# Allegro board 1155000-zp-dic_pda_8ch_board_v002.brd (continued)
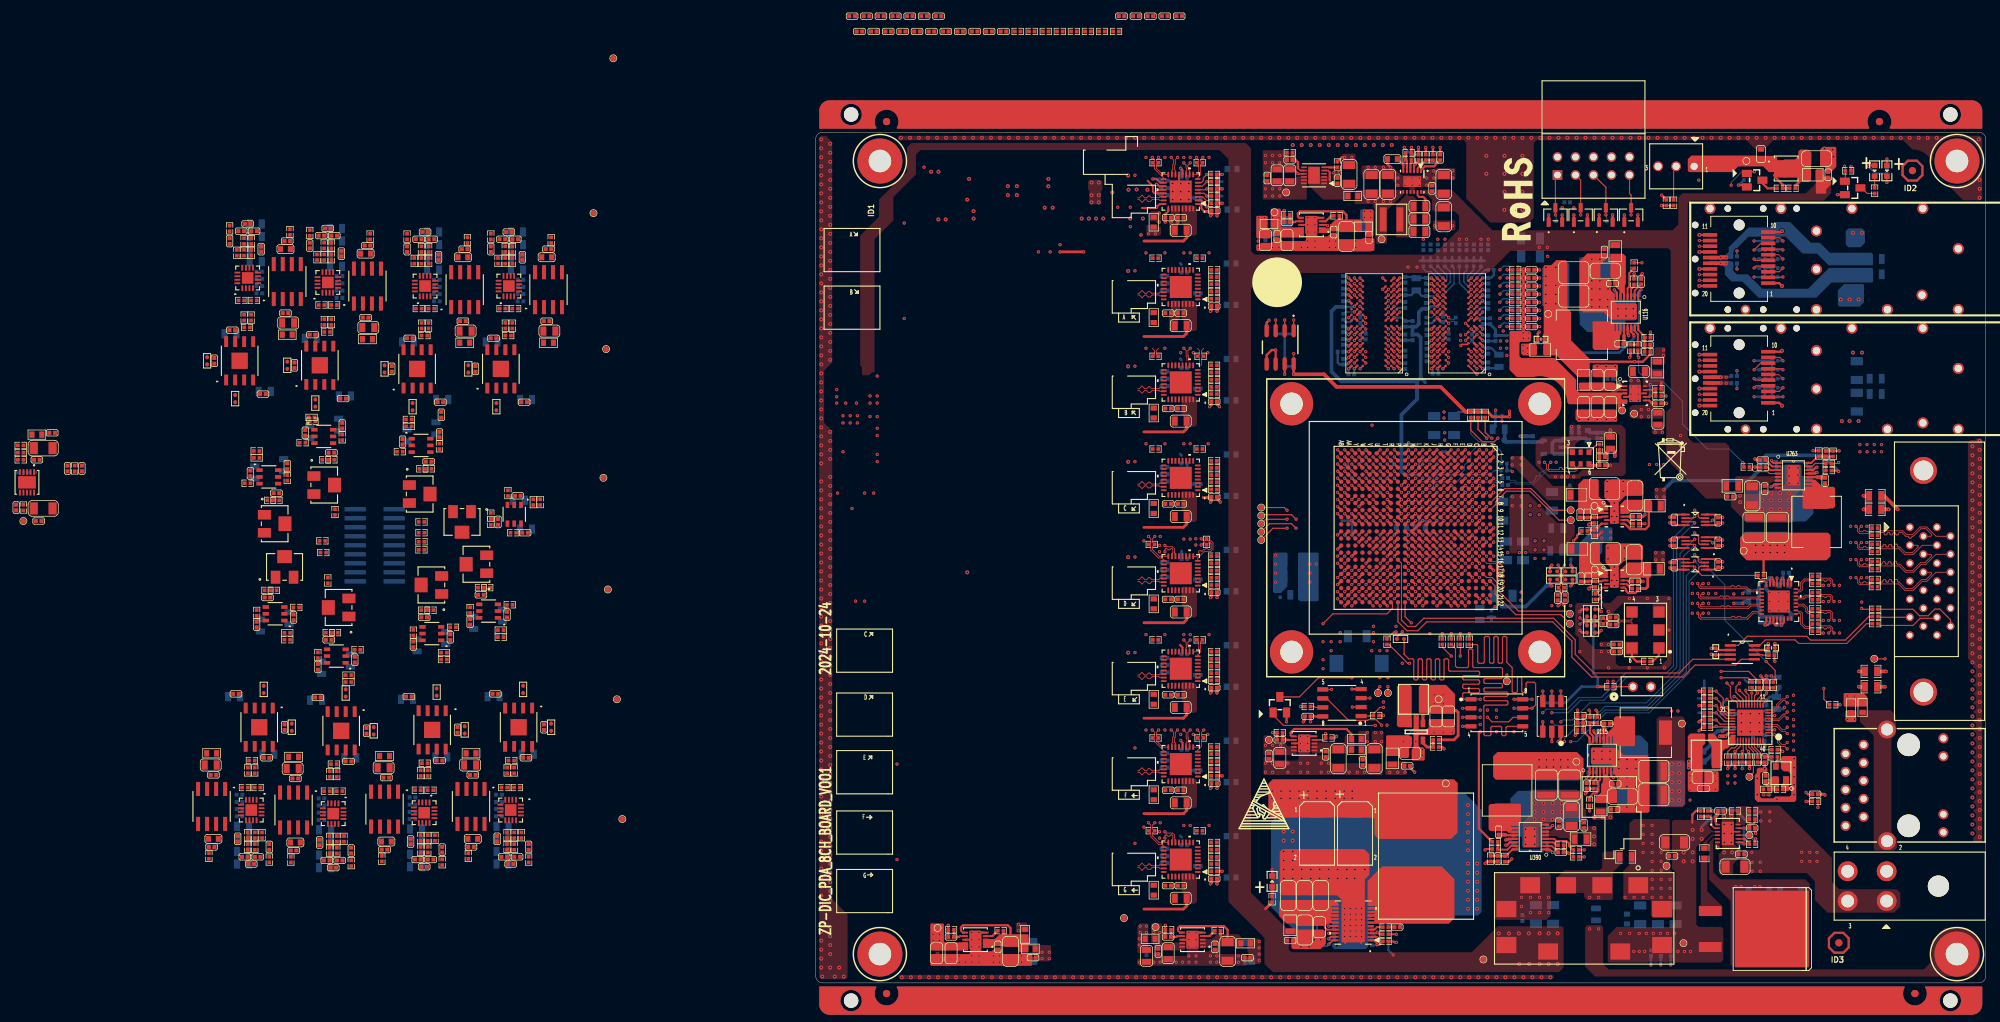
[diagram p0: board, top side]
## Placement (name value [footprint] x y rotation side) (continued)
C3114  470PF_DNP  [C0402]  -68.79 106.43 0 top
C3115  470PF  [C0402]  -67.88 105.41 0 top
C3116  1.3PF  [C0402]  -68.28 74.8 180 top
C3117  0.1UF  [C0402]  -66.88 102.87 90 top
C3118  10UF  [C0805]  -71.33 77.72 90 bottom
C3119  0.1UF  [C0402]  -66.63 82.42 0 top
C3120  0.1UF  [C0402]  -70.95 91.44 180 top
C3121  10UF  [C0805]  -71.2 90.93 180 bottom
C3124  0.1UF  [C0402]  -66.76 78.61 90 top
C3125  10UF  [C0805]  -67.26 78.74 90 bottom
C3126  10UF  [C0805]  -67.64 101.09 180 bottom
C3127  0.1UF  [C0402]  -67.14 98.68 180 bottom
C3128  10UF  [C0805]  -67.64 102.87 180 bottom
C3129  0.1UF  [C0402]  -67.14 99.7 180 bottom
C3130  10UF  [C0805]  -67.64 106.43 180 bottom
C3131  0.1UF  [C0402]  -67.14 97.66 180 bottom
C3132  10UF  [C0805]  -67.64 104.65 180 bottom
C3133  0.1UF  [C0402]  -67.14 96.65 180 bottom
C3134  2.7PF  [C0402]  -47.96 86.61 90 top
C3135  470PF  [C0402]  -44.17 104.9 0 top
C3137  470PF_DNP  [C0402]  -43.26 105.92 0 top
C3138  470PF  [C0402]  -42.35 104.9 0 top
C3139  1.3PF  [C0402]  -44.78 65.02 90 top
C3140  0.1UF  [C0402]  -41.36 102.36 90 top
C3141  10UF  [C0805]  -41.86 68.07 0 bottom
C3142  0.1UF  [C0402]  -41.1 81.92 0 top
C3143  0.1UF  [C0402]  -45.42 90.93 180 top
C3144  10UF  [C0805]  -45.67 90.42 180 bottom
C3147  0.1UF  [C0402]  -40.97 63.5 0 top
C3148  10UF  [C0805]  -40.85 64.01 0 bottom
C3149  10UF  [C0805]  -42.12 102.36 180 bottom
C3150  0.1UF  [C0402]  -41.61 98.17 180 bottom
C3151  10UF  [C0805]  -42.12 100.58 180 bottom
C3152  0.1UF  [C0402]  -41.61 99.19 180 bottom
C3153  10UF  [C0805]  -42.12 105.92 180 bottom
C3154  0.1UF  [C0402]  -41.61 97.16 180 bottom
C3155  10UF  [C0805]  -42.12 104.14 180 bottom
C3156  0.1UF  [C0402]  -41.61 96.14 180 bottom
C3157  2.7PF  [C0402]  -84.79 87.76 90 top
C3158  470PF  [C0402]  -81 106.05 0 top
C3160  470PF_DNP  [C0402]  -80.09 107.06 0 top
C3161  470PF  [C0402]  -79.18 106.05 0 top
C3162  1.3PF  [C0402]  -76.03 69.09 180 top
C3163  0.1UF  [C0402]  -78.19 103.51 90 top
C3164  10UF  [C0805]  -77.68 83.44 0 bottom
C3165  0.1UF  [C0402]  -79.71 71.88 90 top
C3166  0.1UF  [C0402]  -82.25 92.08 180 top
C3167  10UF  [C0805]  -82.5 91.57 180 bottom
C3170  0.1UF  [C0402]  -74.5 72.9 90 top
C3171  10UF  [C0805]  -75.01 73.03 90 bottom
C3172  10UF  [C0805]  -78.95 107.06 180 bottom
C3173  0.1UF  [C0402]  -78.44 99.31 180 bottom
C3174  10UF  [C0805]  -78.95 105.28 180 bottom
C3175  0.1UF  [C0402]  -78.44 100.33 180 bottom
C3176  10UF  [C0805]  -78.95 101.73 180 bottom
C3177  0.1UF  [C0402]  -78.44 98.3 180 bottom
C3178  10UF  [C0805]  -78.95 103.51 180 bottom
C3179  0.1UF  [C0402]  -78.44 97.28 180 bottom
C3180  2.7PF  [C0402]  -59.77 86.61 90 top
C3181  470PF  [C0402]  -55.98 104.9 0 top
C3183  470PF_DNP  [C0402]  -55.07 105.92 0 top
C3184  470PF  [C0402]  -54.16 104.9 0 top
C3185  1.3PF  [C0402]  -54.56 73.53 180 top
C3186  0.1UF  [C0402]  -53.17 102.36 90 top
C3187  10UF  [C0805]  -52.66 82.3 0 bottom
C3188  0.1UF  [C0402]  -58.25 76.33 90 top
C3189  0.1UF  [C0402]  -57.23 90.93 180 top
C3190  10UF  [C0805]  -57.48 90.42 180 bottom
C3193  0.1UF  [C0402]  -53.04 77.34 90 top
C3194  10UF  [C0805]  -53.55 78.23 90 bottom
C3195  10UF  [C0805]  -53.93 102.36 180 bottom
C3196  0.1UF  [C0402]  -53.42 98.17 180 bottom
C3197  10UF  [C0805]  -53.93 104.14 180 bottom
C3198  0.1UF  [C0402]  -53.42 99.19 180 bottom
C3199  10UF  [C0805]  -53.93 100.58 180 bottom
C3200  0.1UF  [C0402]  -53.42 97.16 180 bottom
C3201  10UF  [C0805]  -53.93 105.92 180 bottom
C3202  0.1UF  [C0402]  -53.42 96.14 180 bottom
C3203  2.7PF  [C0402]  -74.88 36.07 270 top
C3204  470PF  [C0402]  -78.67 17.78 180 top
C3206  470PF_DNP  [C0402]  -79.58 16.76 180 top
C3207  470PF  [C0402]  -80.49 17.78 180 top
C3208  1.3PF  [C0402]  -77.3 54.36 0 top
C3209  0.1UF  [C0402]  -81.49 20.32 270 top
C3210  10UF  [C0805]  -82 40.39 180 bottom
C3211  0.1UF  [C0402]  -73.61 51.56 270 top
C3212  0.1UF  [C0402]  -77.42 31.75 0 top
C3213  10UF  [C0805]  -77.17 32.26 0 bottom
C3216  0.1UF  [C0402]  -78.82 50.55 270 top
C3217  10UF  [C0805]  -78.31 50.42 270 bottom
C3218  10UF  [C0805]  -80.73 20.32 0 bottom
C3219  0.1UF  [C0402]  -81.23 24.51 0 bottom
C3220  10UF  [C0805]  -80.73 22.1 0 bottom
C3221  0.1UF  [C0402]  -81.23 23.5 0 bottom
C3222  10UF  [C0805]  -80.73 16.76 0 bottom
C3223  0.1UF  [C0402]  -81.23 25.53 0 bottom
C3224  10UF  [C0805]  -80.73 18.54 0 bottom
C3225  0.1UF  [C0402]  -81.23 26.54 0 bottom
C3226  2.7PF  [C0402]  -50.5 35.69 270 top
C3227  470PF  [C0402]  -54.29 17.4 180 top
C3229  470PF_DNP  [C0402]  -55.2 16.38 180 top
C3230  470PF  [C0402]  -56.11 17.4 180 top
C3231  1.3PF  [C0402]  -55.2 51.56 0 top
C3232  0.1UF  [C0402]  -57.1 19.94 270 top
C3233  10UF  [C0805]  -52.15 48.64 270 bottom
C3234  0.1UF  [C0402]  -57.36 40.39 180 top
C3235  0.1UF  [C0402]  -53.04 31.37 0 top
C3236  10UF  [C0805]  -52.79 31.88 0 bottom
C3239  0.1UF  [C0402]  -56.72 47.75 270 top
C3240  10UF  [C0805]  -56.21 47.63 270 bottom
C3241  10UF  [C0805]  -56.34 18.16 0 bottom
C3242  0.1UF  [C0402]  -56.85 23.11 0 bottom
C3243  10UF  [C0805]  -56.34 19.94 0 bottom
C3244  0.1UF  [C0402]  -56.85 25.15 0 bottom
C3245  10UF  [C0805]  -56.34 21.72 0 bottom
C3246  0.1UF  [C0402]  -56.85 24.13 0 bottom
C3247  10UF  [C0805]  -56.34 16.38 0 bottom
C3248  0.1UF  [C0402]  -56.85 26.16 0 bottom
C3249  2.7PF  [C0402]  -63.33 35.56 270 top
C3250  470PF  [C0402]  -67.12 17.27 180 top
C3252  470PF_DNP  [C0402]  -68.03 16.26 180 top
C3253  470PF  [C0402]  -68.93 17.27 180 top
C3254  1.3PF  [C0402]  -68.66 48.39 0 top
C3255  0.1UF  [C0402]  -69.93 19.81 270 top
C3256  10UF  [C0805]  -70.44 39.88 180 bottom
C3257  0.1UF  [C0402]  -64.98 45.59 270 top
C3258  0.1UF  [C0402]  -65.87 31.24 0 top
C3259  10UF  [C0805]  -65.61 31.75 0 bottom
C3262  0.1UF  [C0402]  -70.18 44.58 270 top
C3263  10UF  [C0805]  -69.68 44.45 270 bottom
C3264  10UF  [C0805]  -69.17 19.81 0 bottom
C3265  0.1UF  [C0402]  -69.68 26.04 0 bottom
C3266  10UF  [C0805]  -69.17 21.59 0 bottom
C3267  0.1UF  [C0402]  -69.68 25.02 0 bottom
C3268  10UF  [C0805]  -69.17 18.03 0 bottom
C3269  0.1UF  [C0402]  -69.68 22.99 0 bottom
C3270  10UF  [C0805]  -69.17 16.26 0 bottom
C3271  0.1UF  [C0402]  -69.68 24 0 bottom
C3272  0.1UF  [C0402]  49.2 71.76 180 bottom
C3273  0.1UF  [C0402]  49.2 70.74 180 bottom
C3274  0.1UF  [C0402]  56.19 68.55 180 top
C3275  0.1UF  [C0402]  53.89 70.36 0 bottom
C3276  0.1UF  [C0402]  49.2 72.77 180 bottom
C3277  0.1UF  [C0402]  49.7 67.56 180 top
C3278  0.1UF  [C0402]  51.99 73.28 180 bottom
C3279  10UF  [C0805]  51.48 65.79 180 top
C3280  0.1UF  [C0402]  51.48 67.56 0 top
C3283  0.1UF  [C0402]  -40.47 19.18 270 top
C3286  0.1UF  [C0402]  56.19 55.09 180 top
C3287  0.1UF  [C0402]  49.2 58.29 180 bottom
C3288  0.1UF  [C0402]  49.2 57.28 180 bottom
C3289  0.1UF  [C0402]  49.7 54.1 180 top
C3290  0.1UF  [C0402]  53.89 56.9 0 bottom
C3291  0.1UF  [C0402]  49.2 59.31 180 bottom
C3292  0.1UF  [C0402]  51.99 59.82 180 bottom
C3293  10UF  [C0805]  51.48 52.32 180 top
C3294  0.1UF  [C0402]  51.48 54.1 0 top
C3297  0.1UF  [C0402]  -71.33 104.01 90 top
C3300  0.1UF  [C0402]  49.2 84.2 180 bottom
C3301  0.1UF  [C0402]  49.2 85.22 180 bottom
C3302  0.1UF  [C0402]  56.19 82.02 180 top
C3303  0.1UF  [C0402]  53.89 83.82 0 bottom
C3304  0.1UF  [C0402]  49.2 86.23 180 bottom
C3305  0.1UF  [C0402]  49.7 81.03 180 top
C3306  0.1UF  [C0402]  51.99 86.74 180 bottom
C3307  10UF  [C0805]  51.48 79.25 180 top
C3308  0.1UF  [C0402]  51.48 81.03 0 top
C3311  0.1UF  [C0402]  -45.8 103.51 90 top
C3314  0.1UF  [C0402]  49.2 44.83 180 bottom
C3315  0.1UF  [C0402]  56.19 41.63 180 top
C3316  0.1UF  [C0402]  49.2 43.82 180 bottom
C3317  0.1UF  [C0402]  49.7 40.64 180 top
C3318  0.1UF  [C0402]  49.2 45.85 180 bottom
C3319  0.1UF  [C0402]  53.89 43.43 0 bottom
C3320  0.1UF  [C0402]  51.99 46.36 180 bottom
C3321  10UF  [C0805]  51.48 38.86 180 top
C3322  0.1UF  [C0402]  51.48 40.64 0 top
C3325  0.1UF  [C0402]  -82.63 104.65 90 top
C3328  0.1UF  [C0402]  49.2 98.68 180 bottom
C3329  0.1UF  [C0402]  56.19 95.48 180 top
C3330  0.1UF  [C0402]  49.2 97.66 180 bottom
C3331  0.1UF  [C0402]  53.89 97.28 0 bottom
C3332  0.1UF  [C0402]  49.7 94.49 180 top
C3333  0.1UF  [C0402]  49.2 99.7 180 bottom
C3334  0.1UF  [C0402]  51.99 100.2 180 bottom
C3335  10UF  [C0805]  51.48 92.71 180 top
C3336  0.1UF  [C0402]  51.48 94.49 0 top
C3339  0.1UF  [C0402]  -57.61 103.51 90 top
C3342  0.1UF  [C0402]  56.19 28.17 180 top
C3343  0.1UF  [C0402]  49.2 31.37 180 bottom
C3344  0.1UF  [C0402]  49.2 30.35 180 bottom
C3345  0.1UF  [C0402]  49.2 32.39 180 bottom
C3346  0.1UF  [C0402]  53.89 29.97 0 bottom
C3347  0.1UF  [C0402]  49.7 27.18 180 top
C3348  0.1UF  [C0402]  51.99 32.89 180 bottom
C3349  10UF  [C0805]  51.48 25.4 180 top
C3350  0.1UF  [C0402]  51.48 27.18 0 top
C3353  0.1UF  [C0402]  -77.04 19.18 270 top
C3356  0.1UF  [C0402]  56.19 108.94 180 top
C3357  0.1UF  [C0402]  49.2 111.13 180 bottom
C3358  0.1UF  [C0402]  49.2 112.14 180 bottom
C3359  0.1UF  [C0402]  49.2 113.16 180 bottom
C3360  0.1UF  [C0402]  49.7 107.95 180 top
C3361  0.1UF  [C0402]  53.89 110.74 0 bottom
C3362  0.1UF  [C0402]  51.99 113.67 180 bottom
C3363  10UF  [C0805]  51.48 106.17 180 top
C3364  0.1UF  [C0402]  51.48 107.95 0 top
C3367  0.1UF  [C0402]  -52.66 18.8 270 top
C3370  0.1UF  [C0402]  49.2 16.89 180 bottom
C3371  0.1UF  [C0402]  49.2 17.91 180 bottom
C3372  0.1UF  [C0402]  56.19 14.71 180 top
C3373  0.1UF  [C0402]  49.7 13.72 180 top
C3374  0.1UF  [C0402]  49.2 18.92 180 bottom
C3375  0.1UF  [C0402]  53.89 16.51 0 bottom
C3376  0.1UF  [C0402]  51.99 19.43 180 bottom
C3377  10UF  [C0805]  51.48 11.94 180 top
C3378  0.1UF  [C0402]  51.48 13.72 0 top
C3381  0.1UF  [C0402]  -65.49 18.67 270 top
C3384  0.1UF  [C0402]  108.35 22.24 270 top
C3385  22UF  [C1206]  106.59 23.46 90 top
C3386  0.1UF  [C0402]  104.81 22.45 270 top
C3387  0.1UF  [C0402]  96.3 21.31 270 top
C3388  47UF  [C1210]  103.03 27.9 270 bottom
C3389  47UF  [C1210]  106.33 27.9 270 top
C3390  47UF  [C1210]  106.33 27.9 270 bottom
C3391  47UF  [C1210]  103.03 27.9 270 top
C3392  4.7PF  [C0402]  96.19 17.53 270 top
C3393  0.01UF  [C0402]  105.08 18.42 0 top
C3394  1UF  [C0603]  98.46 20.29 90 bottom
C3395  10UF  [C0805]  -44.15 51.82 270 bottom
C3396  0.1UF  [C0402]  -43.51 51.94 270 top
C3397  10UF  [C0805]  -66.37 82.8 0 bottom
C3398  0.1UF  [C0402]  -71.96 77.6 90 top
C3399  10UF  [C0805]  -40.85 82.3 0 bottom
C3400  0.1UF  [C0402]  -41.99 68.71 0 top
C3401  10UF  [C0805]  -79.07 72.01 90 bottom
C3402  0.1UF  [C0402]  -77.93 83.06 0 top
C3403  10UF  [C0805]  -57.61 77.22 90 bottom
C3404  0.1UF  [C0402]  -52.91 81.92 0 top
C3405  10UF  [C0805]  -74.25 51.44 270 bottom
C3406  0.1UF  [C0402]  -81.74 40.77 180 top
C3407  10UF  [C0805]  -57.61 40.01 180 bottom
C3408  0.1UF  [C0402]  -51.52 48.77 270 top
C3409  10UF  [C0805]  -65.61 45.47 270 bottom
C3410  0.1UF  [C0402]  -70.18 40.26 180 top
C3411  10UF  [C1206]  30.4 4.45 270 bottom
C3412  0.1UF  [C0402]  30.65 3.56 0 top
C3413  10UF  [C1206]  27.48 4.45 270 top
C3414  0.1UF  [C0402]  25.7 5.08 90 top
C3415  10UF  [C0805]  17.06 4.19 270 top
C3416  10UF  [C0805]  19.1 4.19 270 top
C3417  0.1UF  [C0402]  17.19 4.45 90 bottom
C3418  0.47UF  [C0402]  19.1 6.48 180 top
C3419  10UF  [C1206]  75.23 114.05 90 top
C3420  0.1UF  [C0402]  73.58 113.16 270 top
C3421  10UF  [C0805]  66.85 113.92 90 top
C3422  10UF  [C0805]  65.07 113.92 90 top
C3423  0.1UF  [C0402]  63.67 113.54 270 top
C3424  0.47UF  [C0402]  66.85 116.08 180 top
C3425  10UF  [C0805]  46.66 3.81 270 top
C3426  0.1UF  [C0402]  46.66 4.32 90 bottom
C3427  10UF  [C0805]  63.42 104.78 270 top
C3428  0.1UF  [C0402]  63.42 105.16 90 bottom
C3537  100PF  [C0402]  43.13 136.37 0 top
C3538  100PF  [C0402]  45.17 136.37 0 top
C3539  100PF  [C0402]  47.2 136.37 0 top
C3540  1.8nF  [C0402]  17.33 136.37 0 top
C3541  100PF  [C0402]  49.23 136.37 0 top
C3542  1.8nF  [C0402]  5.14 136.37 0 top
C3543  100PF  [C0402]  51.26 136.37 0 top
C3544  100PF  [C0402]  6.17 134.21 0 top
C3545  1.8nF  [C0402]  9.2 136.37 0 top
C3546  100PF  [C0402]  8.2 134.21 0 top
C3547  100PF  [C0402]  10.23 134.21 0 top
C3548  1.8nF  [C0402]  15.3 136.37 0 top
C3549  100PF  [C0402]  12.27 134.21 0 top
C3550  100PF  [C0402]  14.3 134.21 0 top
C3551  1.8nF  [C0402]  13.27 136.37 0 top
C3552  100PF  [C0402]  16.33 134.21 0 top
C3553  100PF  [C0402]  18.36 134.21 0 top
C3554  1.8nF  [C0402]  11.24 136.37 0 top
C3555  100PF  [C0402]  20.39 134.21 0 top
C3556  100PF  [C0402]  22.42 134.21 0 top
C3557  1.8nF  [C0402]  7.17 136.37 0 top
C3558  100PF  [C0402]  24.45 134.21 0 top
C3559  100PF  [C0402]  26.48 134.21 0 top
CC1  330UF  [C2917X]  76.63 45.09 90 bottom
CC7  330UF  [C2917X]  70.71 21.08 180 top
CC8  330UF  [C2917X]  76.04 21.08 180 top
D2  BAT54SLT1G  [SOT-23]  104.31 108.33 0 top
D3  BAT54SLT1G  [SOT-23]  107.87 108.33 0 top
D4  BAT54SLT1G  [SOT-23]  111.43 108.33 0 top
D5  BAT54SLT1G  [SOT-23]  114.98 108.33 0 top
DS10  SML-LX0603GW-TR  [LED_0603]  149.32 114.55 270 top
DS18  SML-LX0603GW-TR  [LED_0603]  151.05 114.55 270 top
DS24  SML-LX0603GW-TR  [LED_0603]  64.36 14.33 90 top
J1  JTAG  [SBH11-PBPC-D05-ST-BK]  109.68 115.24 0 top
J6  KRJ-320DNL  [KRJ-320DNL_14P]  154.12 27.87 90 top
J18  -  [0039301040]  154.52 13.65 90 top
J60  -  [S8558]  -62.18 61.72 270 bottom
J61  0022112032_DNP  [0022112032]  121.33 115.19 180 top
J75  -  [10226-55G3PC]  157.42 56.66 270 top
J77  -  [CON_2]  116.51 41.78 0 top
J78  -  [THS103J]  103.81 37.59 180 top
L3  BLM18SG121TN1D  [L0603]  82.6 64.26 0 bottom
L5  BLM18SG121TN1D  [L0603]  85.26 64.26 180 bottom
L6  BLM21SN300SN1D  [L0805]  149.47 102.11 180 bottom
L7  BLM21SN300SN1D  [L0805]  149.47 99.95 180 bottom
L34  BLM21SN300SN1D  [L0805]  104.44 60.96 0 bottom
L42  BLM18SG121TN1D  [L0603]  147.62 38.86 270 top
L45  BLM15PD121SN1D  [L0402]  134.03 27.31 180 top
L54  BLM15PD121SN1D  [L0402]  112.95 47.75 180 top
L85  0.44UH  [PA0513_441NLT]  86.07 17.78 270 top
L86  IHLP2525CZER2R2M01  [IHLP_2525CZ_01]  117.06 35.31 0 top
L89  BLM21SN300SN1D  [L0805]  66.9 8.13 90 top
L90  BLM21SN300SN1D  [L0805]  110.71 25.02 90 top
L91  BLM21SN300SN1D  [L0805]  67.78 54.74 0 bottom
L92  BLM21SN300SN1D  [L0805]  102.15 89.28 0 top
L93  BLM21SN300SN1D  [L0805]  112.74 103.23 270 top
L94  IHLP2525CZER2R2M01  [IHLP_2525CZ_01]  108.04 91.41 180 top
L95  BLM21SN300SN1D  [L0805]  108.3 85.06 270 top
L96  BLM21SN300SN1D  [L0805]  118.69 86.79 90 top
L97  IHLP2525CZER4R7M01  [IHLP_2525CZ_01]  141.14 65.02 270 top
L98  BLM21SN300SN1D  [L0805]  129.26 70.11 0 top
L99  BLM21SN300SN1D  [L0805]  118.2 58.42 180 top
L100  BLM21SN300SN1D  [L0805]  107.41 61.21 180 top
L101  BLM21SN300SN1D  [L0805]  118.33 67.31 180 top
L102  BLM21SN300SN1D  [L0805]  107.28 68.83 180 top
L111  BLM21SN300SN1D  [L0805]  81.33 31.67 90 top
L112  -  [NRS4018T2R2MDGJ]  84.29 40.01 0 top
L122  BLM18SG121TN1D  [L0603]  77.26 106.68 180 top
L125  BLM18SG121TN1D  [L0603]  76.25 32.89 180 top
L131  BLM18SG121TN1D  [L0603]  60.63 5.59 180 top
L134  BLM21SN300SN1D_DNP  [L0805]  140.61 114 180 top
L228  -  [XFL4020-472ME]  81.2 107.7 180 top
L233  BLM21SN300SN1D  [L0805]  104.57 64.14 0 bottom
L242  BLM18SG121TN1D  [L0603]  145.97 38.82 270 top
L243  BLM18SG121TN1D  [L0603]  135.73 42.42 270 bottom
L244  BLM18SG121TN1D  [L0603]  124.55 31.24 0 bottom
L245  BLM18SG121TN1D  [L0603]  124.55 32.64 0 bottom
L246  -  [NRS4018T2R2MDGJ]  125.57 32.13 0 top
L265  BLM21SN300SN1D  [L0805]  93.65 52.07 90 bottom
L282  BLM15PD121SN1D  [L0402]  110.92 74.17 0 top
L283  BLM18SG121TN1D  [L0603]  132.25 53.8 0 bottom
L287  BLM21SN300SN1D  [L0805]  96.31 78.11 0 bottom
L288  BLM18SG121TN1D  [L0603]  108.89 77.22 270 bottom
L290  BLM21SN300SN1D  [L0805]  149.47 85.23 180 bottom
L291  BLM21SN300SN1D  [L0805]  149.47 83.07 180 bottom
L299  BLM18SG121TN1D  [L0603]  -48.59 32.39 0 top
L300  BLM18SG121TN1D  [L0603]  -63.2 90.81 180 top
L301  BLM18SG121TN1D  [L0603]  -37.67 90.3 180 top
L302  BLM18SG121TN1D  [L0603]  -74.5 91.44 180 top
L303  BLM18SG121TN1D  [L0603]  -49.48 90.3 180 top
L304  BLM18SG121TN1D  [L0603]  -85.17 32.39 0 top
L305  BLM18SG121TN1D  [L0603]  -60.79 32 0 top
L306  BLM18SG121TN1D  [L0603]  -73.61 31.88 0 top
L309  BLM18SG121TN1D  [L0603]  47.16 6.22 180 top
L356  BLM18SG121TN1D  [L0603]  -109.81 77.34 180 top
L357  MLF1005G2R2JT000  [L0402]  -44.4 49.76 0 top
L358  MLF1005G2R2JT000  [L0402]  -71.07 79.78 180 top
L359  MLF1005G2R2JT000  [L0402]  -39.81 67.82 90 top
L360  MLF1005G2R2JT000  [L0402]  -78.82 74.06 180 top
L361  MLF1005G2R2JT000  [L0402]  -57.36 78.51 180 top
L362  MLF1005G2R2JT000  [L0402]  -74.5 49.38 0 top
L363  MLF1005G2R2JT000  [L0402]  -52.4 46.59 0 top
L364  MLF1005G2R2JT000  [L0402]  -65.87 43.41 0 top
L365  BLM18SG121TN1D  [L0603]  47.67 66.93 90 top
L366  BLM18SG121TN1D  [L0603]  58.59 68.71 180 bottom
L367  BLM18SG121TN1D  [L0603]  58.59 74.55 180 bottom
L368  BLM18SG121TN1D  [L0603]  47.67 53.47 90 top
L369  BLM18SG121TN1D  [L0603]  58.59 55.25 180 bottom
L370  BLM18SG121TN1D  [L0603]  58.59 61.09 180 bottom
L371  BLM18SG121TN1D  [L0603]  47.67 80.39 90 top
L372  BLM18SG121TN1D  [L0603]  58.59 82.17 180 bottom
L373  BLM18SG121TN1D  [L0603]  58.59 88.01 180 bottom
L374  BLM18SG121TN1D  [L0603]  47.67 40.01 90 top
L375  BLM18SG121TN1D  [L0603]  58.59 41.78 180 bottom
L376  BLM18SG121TN1D  [L0603]  58.59 47.63 180 bottom
L377  BLM18SG121TN1D  [L0603]  47.67 93.85 90 top
L378  BLM18SG121TN1D  [L0603]  58.59 95.63 180 bottom
L379  BLM18SG121TN1D  [L0603]  58.59 101.47 180 bottom
L380  BLM18SG121TN1D  [L0603]  47.67 26.54 90 top
L381  BLM18SG121TN1D  [L0603]  58.59 28.32 180 bottom
L382  BLM18SG121TN1D  [L0603]  58.59 34.16 180 bottom
L383  BLM18SG121TN1D  [L0603]  47.67 107.32 90 top
L384  BLM18SG121TN1D  [L0603]  58.72 109.09 180 bottom
L385  BLM18SG121TN1D  [L0603]  58.72 114.81 180 bottom
L386  BLM18SG121TN1D  [L0603]  47.67 13.08 90 top
L387  BLM18SG121TN1D  [L0603]  58.59 14.86 180 bottom
L388  BLM18SG121TN1D  [L0603]  58.59 20.7 180 bottom
L389  BLM21SN300SN1D  [L0805]  107.86 20.29 180 top
L390  IHLP2525CZER2R2M01  [IHLP_2525CZ_01]  97.49 27.15 90 top
L391  BLM18SG121TN1D  [L0603]  30.27 4.83 180 top
L392  BLM18SG121TN1D  [L0603]  75.74 111 180 top
L393  BLM18SG121TN1D  [L0603]  63.93 107.06 180 top
L394  BLM18SG121TN1D_DNP  [L0603]  76.25 34.42 180 top
L395  BLM18SG121TN1D_DNP  [L0603]  29.51 6.86 270 top
MH1  MH_125_250  [MH_250H125]  160.94 4.06 0 top
MH2  MH_125_250  [MH_250H125]  9.06 4.06 0 top
MH3  MH_125_250  [MH_250H125]  9.06 115.94 0 top
MH4  MH_125_250  [MH_250H125]  160.94 115.94 0 top
NOREF  -  []  326.69 223.27 0 top
NOREF#2  -  [unnamed#2]  165 120 0 top
NOREF#3  -  []  278.68 -48.89 0 top
NOREF#4  -  []  163 -5 90 top
NOREF#5  -  []  0 119 0 top
NOREF#6  -  []  -0.08 0 0 top
NOREF#7  -  []  9.06 4.06 0 top
NOREF#8  -  []  164 0 90 top
NOREF#9  -  [unnamed#3]  144.28 5.66 0 top
NOREF#10  -  []  165.95 0 0 top
NOREF#11  -  []  165.95 120 0 top
NOREF#12  -  []  62.53 24.77 0 top
NOREF#13  -  [unnamed#3]  154.66 114.58 0 top
NOREF#14  -  []  65.58 99.06 0 top
NOREF#15  -  [unnamed#4]  0 0 0 top
NOREF#16  -  [unnamed#5]  0 120 0 top
NOREF#17  -  []  277.62 124.21 0 top
NOREF#18  -  []  107.62 115.32 90 top
NOREF#19  -  [unnamed#6]  165 0 0 top
NOREF#20  -  []  -163.4 -217.8 0 top
NOREF#21  -  []  -0.08 0 0 top
NOREF#22  -  []  9.06 4.06 0 top
NOREF#23  -  []  120.57 73.91 0 top
NOREF#24  -  [unnamed#3]  154.66 114.58 180 bottom
NOREF#25  -  [unnamed#3]  144.28 5.66 180 bottom
P3  0744410010_0747370010  [0744410010_0747370010#2]  161.12 103.57 180 top
P4  -  [0744410010_0747370010]  161.12 86.68 180 top
Q1  PSMN1R1-40BS  [PSMN1R1]  133.83 7.6 270 top
Q10  -  [NDS331N]  65.45 39.24 0 top
Q15  -  [NDS331N]  146.22 112.14 270 top
Q20  CSD25402Q3A_DNP  [CSD25402]  136.85 114.88 0 top
Q21  NDS331N_DNP  [NDS331N]  132.4 113.23 270 top
R4  4.7K  [R0402]  97.07 72.26 180 bottom
R8  4.7K  [R0402]  95.22 100.58 0 bottom
R11  4.7K  [R0402]  135.25 99.57 0 bottom
R12  4.7K_DNP  [R0402]  135.25 100.84 0 bottom
R13  4.7K  [R0402]  135.25 102.11 0 bottom
R14  4.7K  [R0402]  133.47 103.38 180 bottom
R41  4.7K  [R0402_BGA]  91.11 69.22 90 bottom
R42  4.7K  [R0402]  97.07 73.28 180 bottom
R87  240  [R0402]  151.05 114.55 90 bottom
R165  100  [R0402_BGA]  88.11 74.19 90 bottom
R219  10K  [R0402]  112.06 86.23 180 bottom
R221  10K  [R0402]  112.44 83.82 90 bottom
R276  1K  [R0402_BGA]  87.1 58.19 90 bottom
R337  1K  [R0402]  92.38 80.14 90 top
R338  1K_DNP  [R0402]  94.41 80.14 90 top
R339  1K_DNP  [R0402]  93.39 80.14 90 top
R340  1K  [R0402]  93.39 80.14 270 bottom
R341  1K  [R0402]  94.41 80.14 270 bottom
R342  1K_DNP  [R0402]  92.38 80.14 270 bottom
R391  4.7K  [R0402]  135.25 104.65 0 bottom
R392  4.7K  [R0402]  135.25 103.38 0 bottom
R395  330  [R0402]  145.59 114.55 180 top
R396  330  [R0402]  149.32 111.76 90 top
R455  10K  [R0402]  111.93 107.44 180 bottom
R456  10K  [R0402]  104.82 107.44 180 bottom
R458  240  [R0402]  74.39 93.98 270 bottom
R460  40.2  [R0402]  90.77 101.47 270 bottom
R461  40.2  [R0402]  88.74 101.47 270 bottom
R462  40.2  [R0402]  91.79 101.47 270 bottom
R463  40.2  [R0402]  98.65 98.3 180 top
R464  40.2  [R0402]  98.65 99.44 180 bottom
R465  40.2  [R0402]  98.65 99.44 180 top
R466  40.2  [R0402]  98.65 100.58 180 bottom
R467  40.2  [R0402]  98.65 100.58 180 top
R468  40.2  [R0402]  85.69 101.47 270 bottom
R469  40.2  [R0402]  92.8 101.47 270 bottom
R470  40.2  [R0402]  98.65 96.01 180 bottom
R471  40.2  [R0402]  87.72 101.47 270 bottom
R472  40.2  [R0402]  89.76 101.47 270 bottom
R473  40.2  [R0402]  93.82 101.47 270 bottom
R474  40.2  [R0402]  86.71 101.47 270 bottom
R475  40.2  [R0402]  98.65 97.16 180 bottom
R476  40.2  [R0402]  98.65 94.87 180 top
R477  40.2  [R0402]  98.65 98.3 180 bottom
R478  40.2  [R0402]  98.65 96.01 180 top
R479  40.2  [R0402]  98.65 97.16 180 top
R480  40.2  [R0402]  98.65 93.73 180 bottom
R481  40.2  [R0402]  98.65 92.58 180 bottom
R482  40.2  [R0402]  98.65 92.58 180 top
R483  40.2  [R0402]  98.65 94.87 180 bottom
R484  40.2  [R0402]  98.65 93.73 180 top
R488  80.6  [R0402]  90.26 93.47 90 bottom
R490  240  [R0402]  86.07 93.47 270 bottom
R496  4.7K  [R0402]  92.38 40.01 180 bottom
R497  4.7K  [R0402]  92.38 37.47 180 bottom
R498  4.7K  [R0402]  99.61 38.74 0 bottom
R499  4.7K  [R0402]  67.4 91.95 90 bottom
R500  4.7K  [R0402]  66.13 91.95 90 bottom
R501  4.7K  [R0402]  64.86 91.95 90 bottom
R502  0  [R0402_BGA]  82.47 48.51 0 top
R503  0  [R0402]  89.63 48.13 270 top
R505  0  [R0402]  88.36 48.13 270 top
R507  0  [R0402]  80.56 48.13 270 top
R509  0  [R0402]  90.9 48.13 270 top
R511  0  [R0402]  92.17 48.13 270 top
R516  4.7K  [R0402]  133.47 102.11 180 bottom
R517  4.7K  [R0402]  133.47 100.84 180 bottom
R834  330  [R0402]  140.93 25.6 0 top
R835  330  [R0402]  143.35 39.24 0 top
R844  0  [R0402]  132.81 31.5 90 top
R845  2.49K  [R0402]  135.22 32.89 0 top
R848  0  [R0402]  135.98 27.31 180 top
R853  0  [R0402]  135.05 42.04 90 top
R854  0  [R0402]  133.06 42.04 90 top
R855  0  [R0402]  132.05 42.04 90 top
R858  0  [R0402]  135.22 31.88 180 top
R984  0_DNP  [R0402]  117.27 45.34 180 top
R1033  10K  [R0402]  132.05 19.56 180 top
R1034  10m  [R1206]  137.46 12.7 180 bottom
R1036  100K  [R0402]  129.63 24.26 180 top
R1037  680K  [R0402]  132.05 24.26 180 top
R1038  1M  [R0402]  130.22 19.3 90 bottom
R1039  1M  [R0402]  132.05 23.11 0 top
R1040  49.9K  [R0402]  124.78 23.88 270 top
R1041  100K  [R0402]  80.36 6.86 180 top
R1042  187K_DNP  [R0402]  71.09 5.33 0 bottom
R1043  100K  [R0402]  73.12 5.72 90 bottom
R1044  100K  [R0402]  73.12 7.37 270 bottom
R1045  20K  [R0402]  80.36 5.84 180 bottom
R1046  15K  [R0402]  78.45 5.72 270 bottom
R1047  10K  [R0402]  80.36 5.84 0 top
R1048  4.7K  [R0402]  78.45 7.49 90 bottom
R1049  0  [R0402]  80.36 7.87 0 top
R1050  124K_DNP  [R0402]  71.09 6.86 0 bottom
R1057  1M  [R0402]  107.82 37.7 180 top
R1058  10K  [R0402]  110.2 37.08 270 top
R1059  0  [R0402]  109.12 25.43 90 top
R1060  0  [R0402]  109.19 37.08 270 top
R1061  0_DNP  [R0402]  108.93 30.1 90 bottom
R1062  10  [R0603]  125.32 18.29 90 top
R1063  4.99K  [R0402]  125.8 23.88 90 top
R1064  0  [R0402]  109.95 30.1 270 bottom
R1065  52.3K  [R0402]  109.73 27.8 270 top
R1066  0_DNP  [R0402]  112.36 30.1 270 bottom
R1067  0  [R0402]  115.41 101.19 270 top
R1068  52.3K  [R0402]  115.38 98.92 90 top
R1069  0_DNP  [R0402]  112.74 96.62 90 bottom
R1070  0  [R0402]  115.16 96.62 90 bottom
R1071  0_DNP  [R0402]  116.17 96.62 270 bottom
R1072  1M  [R0402]  117.28 89.02 0 top
R1073  1.13M  [R0402]  117.31 91.03 0 top
R1074  10K  [R0402]  114.9 89.64 90 top
R1075  0  [R0402]  115.92 89.64 90 top
R1076  10K  [R0402]  142.85 72.27 180 top
R1077  0  [R0402]  131.29 72.77 0 top
R1078  0  [R0402]  142.85 73.28 180 top
R1079  0_DNP  [R0402]  135.86 73.54 0 bottom
R1080  0  [R0402]  135.86 72.52 180 bottom
R1083  52.3K  [R0402]  133.56 72.74 180 top
R1085  1M  [R0402]  143.47 74.65 90 top
R1086  316K  [R0402]  141.45 74.68 90 top
R1089  806K  [R0402]  107.79 35.69 180 top
R1091  10.2K  [R0402]  109.95 56.26 270 top
R1098  2.55K  [R0402]  108.93 57.02 90 top
R1100  10K  [R0402]  109.95 54.48 90 top
R1101  0  [R0402]  115.54 55.63 180 top
R1112  10K  [R0402]  109.82 63.5 90 top
R1113  5.9K  [R0402]  108.81 66.04 90 top
R1114  11.8K  [R0402]  109.82 65.28 270 top
R1115  0  [R0402]  115.66 64.77 180 top
R1116  0  [R0402]  108.42 63.75 180 top
R1129  158K  [R0402]  87.47 34.29 180 top
R1130  49.9K  [R0402]  87.47 33.27 0 top
R1138  10K  [R0402]  85.18 36.74 0 bottom
R1150  10K  [R0402]  72.31 34.54 180 top
R1196  100K_DNP  [R0402]  131.28 113.25 180 bottom
R1197  0_DNP  [R0402]  131.28 114.39 180 bottom
R1198  100K_DNP  [R0402]  137.74 112.09 180 top
R1882  287K  [R0402]  83.61 116.08 180 top
R1883  100K  [R0402]  83.61 117.09 0 top
R1884  0  [R0402]  86.03 116.46 270 top
R1885  100K  [R0402]  85.01 116.46 270 top
R1886  0  [R0402]  85.01 116.46 270 bottom
R1928  1K_DNP  [R0402]  119.96 110.06 270 top
R1929  0_DNP  [R0402]  120.97 110.06 270 top
R2047  0  [R0402]  132.81 31.5 270 bottom
R2048  0  [R0402]  127.73 38.35 90 bottom
R2050  4.7K  [R0402]  64.36 11.79 90 top
R2083  10K_DNP  [R0402]  56.69 7.37 0 top
R2084  0_DNP  [R0805]  148.81 43.94 180 top
R2085  0_DNP  [R0805]  148.81 41.78 180 top
R2086  0_DNP  [R0805]  149.4 66.8 180 top
R2087  0_DNP  [R0805]  149.4 68.7 180 top
R2120  4.7K  [R0402]  112.06 41.78 0 top
R2121  4.7K  [R0402]  110.54 75.57 270 top
R2122  0_DNP  [R0805]  114.22 17.78 180 top
R2123  0  [R0805]  110.03 9.65 90 bottom
R2124  0_DNP  [R0402]  149.4 50.67 180 top
R2125  0_DNP  [R0402]  149.4 51.69 180 top
R2126  0_DNP  [R0402]  149.4 52.71 180 top
R2127  100_DNP  [R0402]  105.14 55.75 180 top
R2129  100K_DNP  [R0402]  135.96 112.09 180 top
R2130  10m  [R1206]  133.02 12.7 180 bottom
R2135  4.7K  [R0402]  133.27 57.48 180 top
R2137  18K  [R0402]  65.45 35.31 180 top
R2139  49.9K  [R0402]  49.7 7.49 180 top
R2140  80.6  [R0402_BGA]  79.6 70.69 180 bottom
R2141  80.6  [R0402_BGA]  79.61 61.69 180 bottom
R2142  80.6  [R0402_BGA]  87.1 73.19 270 bottom
R2143  80.6  [R0402_BGA]  78.11 71.19 90 bottom
R2144  4.7K  [R0402]  133.47 85.23 180 bottom
R2145  4.7K  [R0402]  133.47 83.96 180 bottom
R2146  4.7K  [R0402]  135.25 82.69 0 bottom
R2147  4.7K_DNP  [R0402]  135.25 83.96 0 bottom
R2148  4.7K  [R0402]  135.25 85.23 0 bottom
R2149  4.7K  [R0402]  135.25 86.5 0 bottom
R2150  4.7K  [R0402]  135.25 87.77 0 bottom
R2151  4.7K  [R0402]  133.47 86.5 180 bottom
R2152  10K  [R0402]  79.04 37.72 180 top
R2153  4.7K  [R0402]  69.39 38.99 0 top
R2154  1K  [R0402_BGA]  102.54 40.01 90 bottom
R2155  1K  [R0402_BGA]  103.81 40.01 90 bottom
R2156  1K  [R0402_BGA]  105.08 40.01 90 bottom
R2184  0  [R0402]  -48.98 17.91 270 top
R2185  0  [R0402]  -62.82 105.28 90 top
R2186  0  [R0402]  -37.29 104.78 90 top
R2187  0  [R0402]  -74.12 105.92 90 top
R2196  0  [R0402]  -49.1 104.78 90 top
R2197  0  [R0402]  -85.55 17.91 270 top
R2198  0  [R0402]  -61.17 17.53 270 top
R2199  0  [R0402]  -73.99 17.4 270 top
R2204  1K  [R0402_BGA]  106.22 56.9 180 top
R2205  1K  [R0402_BGA]  104.06 56.9 0 top
R2206  1K  [R0402_BGA]  106.22 58.04 0 top
R2207  1K  [R0402_BGA]  104.06 58.04 180 top
R2208  1K  [R0402_BGA]  109.9 49.91 90 top
R2209  1K  [R0402_BGA]  109.9 52.2 270 top
R2210  100_DNP  [R0402]  111.04 51.05 270 top
R2211  1K  [R0402_BGA]  108.76 49.91 270 top
R2212  1K  [R0402_BGA]  108.76 52.2 90 top
R2213  0  [R0402]  140.94 57.35 0 top
R2214  0  [R0402]  140.94 56.34 0 top
R2215  0  [R0402]  140.94 55.07 0 top
R2216  0  [R0402]  140.94 54.05 0 top
R2217  0  [R0402]  140.94 52.78 0 top
R2218  0  [R0402]  140.94 51.77 0 top
R2219  0  [R0402]  140.94 50.62 0 top
R2220  0  [R0402]  140.94 49.61 0 top
R2221  0  [R0402]  149.36 64.15 180 top
R2222  0  [R0402]  149.36 63.14 180 top
R2223  0  [R0402]  149.36 60.85 180 top
R2224  0  [R0402]  149.36 61.87 180 top
R2225  0  [R0402]  149.36 58.44 180 top
R2226  0  [R0402]  149.36 59.45 180 top
R2227  0  [R0402]  149.36 55.9 180 top
R2228  0  [R0402]  149.36 56.91 180 top
R2229  1K  [R0402]  125.7 36.07 0 top
R2230  1K_DNP  [R0402]  125.7 41.15 0 top
R2231  1K  [R0402]  125.7 37.08 0 top
R2232  1K  [R0402]  125.7 41.15 180 bottom
R2233  1K_DNP  [R0402]  125.7 36.07 180 bottom
R2234  1K_DNP  [R0402]  125.7 37.08 180 bottom
